# KiCad board lucky1.1.kicad_pcb
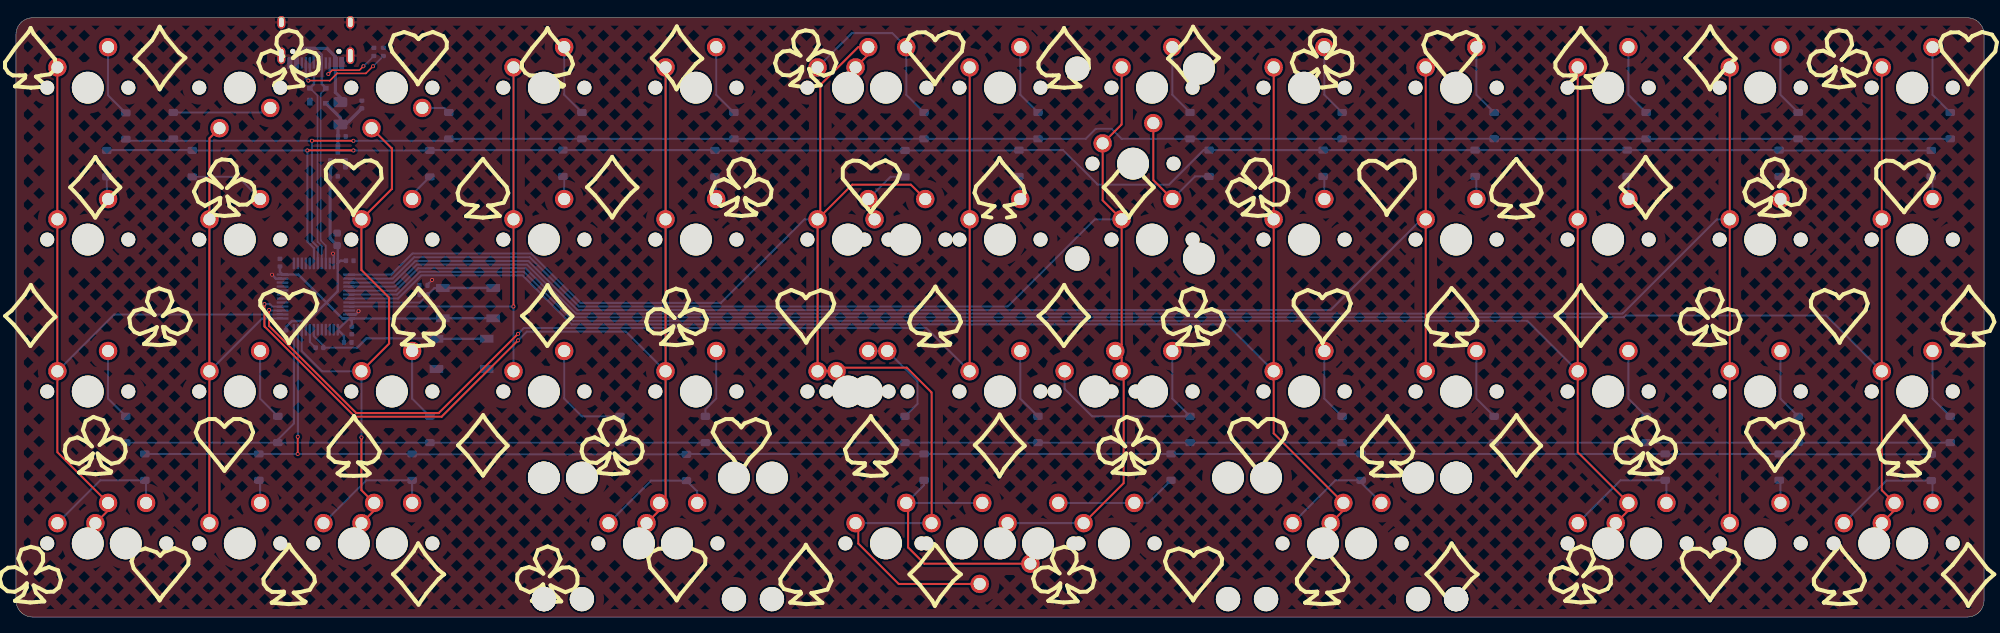
[diagram p0: board, top side]
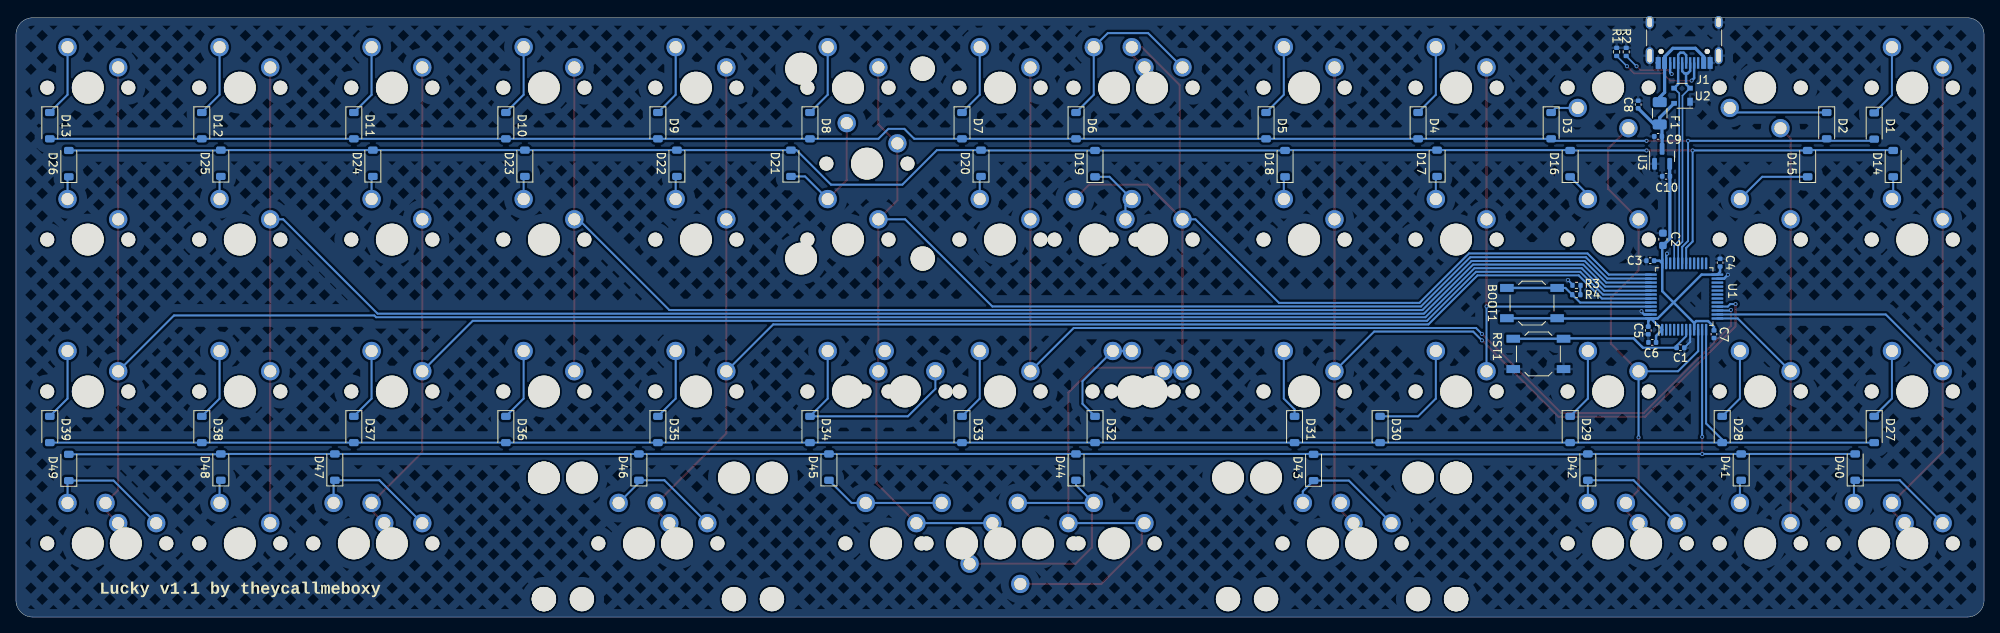
[diagram p1: board, bottom side, seen from below]

Outline 246.6 x 75.15 mm; copper layers: Top, Bottom. Coordinates in mm from the lower left corner of the outline.
Outline path: 0,73.05 arc(0.62,74.53) 2.1,75.15 244.5,75.15 arc(245.98,74.53) 246.6,73.05 246.6,2.1 arc(245.98,0.62) 244.5,0 2.1,0 arc(0.62,0.62) 0,2.1 0,73.05
Stack: Top 0.035mm / dielectric 1.11mm FR4 er 4.5 / Bottom 0.035mm

## Placement (name value [footprint] x y rotation side)
BOOT1  SW_SPST  [SW_SPST_TL3342]  56.64 39.37 0 bottom
C1  100nF  [C_0402_1005Metric]  38.04 33.77 180 bottom
C2  10uF  [C_0603_1608Metric]  40.24 47.37 90 bottom
C3  100nF  [C_0402_1005Metric]  41.83 44.69 0 bottom
C4  100nF  [C_0402_1005Metric]  33.08 44.44 90 bottom
C5  100nF  [C_0402_1005Metric]  42.08 35.94 270 bottom
C6  100nF  [C_0402_1005Metric]  41.58 34.44 0 bottom
C7  100nF  [C_0402_1005Metric]  33.84 35.47 270 bottom
C8  100nF  [C_0402_1005Metric]  43.34 64.27 90 bottom
C9  1uF  [C_0402_1005Metric]  40.84 60.27 0 bottom
C10  1uF  [C_0402_1005Metric]  39.84 55.27 0 bottom
D1  D_Small  [D_SOD-123]  13.76 61.58 270 bottom
D2  D_Small  [D_SOD-123]  19.72 61.62 270 bottom
D3  D_Small  [D_SOD-123]  54.24 61.62 270 bottom
D4  D_Small  [D_SOD-123]  70.91 61.62 270 bottom
D5  D_Small  [D_SOD-123]  89.96 61.62 270 bottom
D6  D_Small  [D_SOD-123]  113.77 61.62 270 bottom
D7  D_Small  [D_SOD-123]  128.06 61.62 270 bottom
D8  D_Small  [D_SOD-123]  147.11 61.62 270 bottom
D9  D_Small  [D_SOD-123]  166.16 61.62 270 bottom
D10  D_Small  [D_SOD-123]  185.21 61.62 270 bottom
D11  D_Small  [D_SOD-123]  204.26 61.62 270 bottom
D12  D_Small  [D_SOD-123]  223.31 61.62 270 bottom
D13  D_Small  [D_SOD-123]  242.36 61.62 270 bottom
D14  D_Small  [D_SOD-123]  11.38 56.86 90 bottom
D15  D_Small  [D_SOD-123]  22.1 56.86 90 bottom
D16  D_Small  [D_SOD-123]  51.86 56.86 90 bottom
D17  D_Small  [D_SOD-123]  68.53 56.91 90 bottom
D18  D_Small  [D_SOD-123]  87.58 56.86 90 bottom
D19  D_Small  [D_SOD-123]  111.39 56.86 90 bottom
D20  D_Small  [D_SOD-123]  125.68 56.91 90 bottom
D21  D_Small  [D_SOD-123]  149.49 56.91 90 bottom
D22  D_Small  [D_SOD-123]  163.78 56.91 90 bottom
D23  D_Small  [D_SOD-123]  182.83 56.91 90 bottom
D24  D_Small  [D_SOD-123]  201.88 56.91 90 bottom
D25  D_Small  [D_SOD-123]  220.93 56.91 90 bottom
D26  D_Small  [D_SOD-123]  239.98 56.86 90 bottom
D27  D_Small  [D_SOD-123]  13.76 23.52 270 bottom
D28  D_Small  [D_SOD-123]  32.81 23.52 270 bottom
D29  D_Small  [D_SOD-123]  51.86 23.52 270 bottom
D30  D_Small  [D_SOD-123]  75.67 23.52 270 bottom
D31  D_Small  [D_SOD-123]  86.39 23.52 270 bottom
D32  D_Small  [D_SOD-123]  111.39 23.52 270 bottom
D33  D_Small  [D_SOD-123]  128.06 23.52 270 bottom
D34  D_Small  [D_SOD-123]  147.11 23.52 270 bottom
D35  D_Small  [D_SOD-123]  166.16 23.52 270 bottom
D36  D_Small  [D_SOD-123]  185.21 23.52 270 bottom
D37  D_Small  [D_SOD-123]  204.26 23.52 270 bottom
D38  D_Small  [D_SOD-123]  223.31 23.52 270 bottom
D39  D_Small  [D_SOD-123]  242.36 23.52 270 bottom
D40  D_Small  [D_SOD-123]  16.14 18.81 90 bottom
D41  D_Small  [D_SOD-123]  30.43 18.81 90 bottom
D42  D_Small  [D_SOD-123]  49.64 18.81 90 bottom
D43  D_Small  [D_SOD-123]  84.01 18.76 90 bottom
D44  D_Small  [D_SOD-123]  113.77 18.81 90 bottom
D45  D_Small  [D_SOD-123]  144.73 18.81 90 bottom
D46  D_Small  [D_SOD-123]  168.54 18.81 90 bottom
D47  D_Small  [D_SOD-123]  206.64 18.81 90 bottom
D48  D_Small  [D_SOD-123]  220.93 18.81 90 bottom
D49  D_Small  [D_SOD-123]  239.98 18.76 90 bottom
F1  500mA  [Fuse_1206_3216Metric]  40.64 63.17 270 bottom
J1  USB_C_Receptacle_USB2.0  [USB_C_Receptacle_HRO_TYPE-C-31-M-12]  37.58 73.53 0 bottom
MX1  MX_SW_solder  [SW_MX_1u]  9 66.39 0 top
MX2  MX_SW_solder  [SW_MX_1u#2]  28.05 66.39 180 top
MX3  MX_SW_solder  [SW_MX_1u#2]  47.1 66.39 180 top
MX4  MX_SW_solder  [SW_MX_1u]  66.15 66.39 0 top
MX5  MX_SW_solder  [SW_MX_1u]  85.2 66.39 0 top
MX6  MX_SW_solder  [SW_MX_1u#2]  104.25 66.39 0 top
MX7  MX_SW_solder  [SW_MX_1u]  109.01 66.39 0 top
MX8  MX_SW_solder  [SW_MX_1u]  123.3 66.39 0 top
MX9  MX_SW_solder  [SW_MX_1u]  139.97 56.86 0 top
MX10  MX_SW_solder  [SW_MX_1u]  142.35 66.39 0 top
MX11  MX_SW_solder  [SW_MX_1u]  161.4 66.39 0 top
MX12  MX_SW_solder  [SW_MX_1u]  180.45 66.39 0 top
MX13  MX_SW_solder  [SW_MX_1u]  199.5 66.39 0 top
MX14  MX_SW_solder  [SW_MX_1u]  218.55 66.39 0 top
MX15  MX_SW_solder  [SW_MX_1u]  237.6 66.39 0 top
MX16  MX_SW_solder  [SW_MX_1u]  9 47.34 0 top
MX17  MX_SW_solder  [SW_MX_1u]  28.05 47.34 0 top
MX18  MX_SW_solder  [SW_MX_1u]  47.1 47.34 0 top
MX19  MX_SW_solder  [SW_MX_1u]  66.15 47.34 0 top
MX20  MX_SW_solder  [SW_MX_1u]  85.2 47.34 0 top
MX21  MX_SW_solder  [SW_MX_1u]  104.25 47.34 0 top
MX22  MX_SW_solder  [SW_MX_1u#2]  111.39 47.34 0 top
MX23  MX_SW_solder  [SW_MX_1u]  123.3 47.34 0 top
MX24  MX_SW_solder  [SW_MX_1u]  142.35 47.34 0 top
MX25  MX_SW_solder  [SW_MX_1u]  161.4 47.34 0 top
MX26  MX_SW_solder  [SW_MX_1u]  180.45 47.34 0 top
MX27  MX_SW_solder  [SW_MX_1u]  199.5 47.34 0 top
MX28  MX_SW_solder  [SW_MX_1u]  218.55 47.34 0 top
MX29  MX_SW_solder  [SW_MX_1u]  237.6 47.34 0 top
MX30  MX_SW_solder  [SW_MX_1u]  9 28.28 0 top
MX31  MX_SW_solder  [SW_MX_1u]  28.05 28.28 0 top
MX32  MX_SW_solder  [SW_MX_1u]  47.1 28.28 0 top
MX33  MX_SW_solder  [SW_MX_1u]  66.15 28.28 0 top
MX34  MX_SW_solder  [SW_MX_1u]  85.2 28.28 0 top
MX35  MX_SW_solder  [SW_MX_1u]  104.25 28.28 0 top
MX36  MX_SW_solder  [SW_MX_1u]  106.63 28.28 0 top
MX37  MX_SW_solder  [SW_MX_1u]  123.3 28.28 0 top
MX38  MX_SW_solder  [SW_MX_1u#2]  135.21 28.28 0 top
MX39  MX_SW_solder  [SW_MX_1u]  142.35 28.28 0 top
MX40  MX_SW_solder  [SW_MX_1u]  161.4 28.28 0 top
MX41  MX_SW_solder  [SW_MX_1u]  180.45 28.28 0 top
MX42  MX_SW_solder  [SW_MX_1u]  199.5 28.28 0 top
MX43  MX_SW_solder  [SW_MX_1u]  218.55 28.28 0 top
MX44  MX_SW_solder  [SW_MX_1u]  237.6 28.28 0 top
MX45  MX_SW_solder  [SW_MX_1u#2]  9 9.23 0 top
MX46  MX_SW_solder  [SW_MX_1u]  13.76 9.23 0 top
MX47  MX_SW_solder  [SW_MX_1u]  28.05 9.23 0 top
MX48  MX_SW_solder  [SW_MX_1u#2]  42.34 9.23 0 top
MX49  MX_SW_solder  [SW_MX_1u]  47.1 9.23 0 top
MX50  MX_SW_solder  [SW_MX_1u#2]  78.06 9.23 0 top
MX51  MX_SW_solder  [SW_MX_1u]  82.82 9.23 0 top
MX52  MX_SW_solder  [SW_MX_1u#2]  123.3 9.23 180 top
MX53  MX_SW_solder  [SW_MX_1u]  109.01 9.23 0 top
MX54  MX_SW_solder  [SW_MX_1u]  118.54 9.23 0 top
MX55  MX_SW_solder  [SW_MX_1u]  128.06 9.23 0 top
MX56  MX_SW_solder  [SW_MX_1u]  137.59 9.23 0 top
MX57  MX_SW_solder  [SW_MX_1u#2]  163.78 9.23 0 top
MX58  MX_SW_solder  [SW_MX_1u]  168.54 9.23 0 top
MX59  MX_SW_solder  [SW_MX_1u#2]  199.5 9.23 0 top
MX60  MX_SW_solder  [SW_MX_1u]  204.26 9.23 0 top
MX61  MX_SW_solder  [SW_MX_1u]  218.55 9.23 0 top
MX62  MX_SW_solder  [SW_MX_1u#2]  232.84 9.23 0 top
MX63  MX_SW_solder  [SW_MX_1u]  237.6 9.23 0 top
R1  5.1k  [R_0402_1005Metric]  46.04 70.87 270 bottom
R2  5.1k  [R_0402_1005Metric]  44.84 70.87 90 bottom
R3  5.1k  [R_0402_1005Metric]  51.09 40.42 180 bottom
R4  5.1k  [R_0402_1005Metric]  51.06 41.6 0 bottom
RST1  SW_SPST  [SW_SPST_TL3342]  55.84 33 180 bottom
S1  MX_stab  [STAB_MX_2.25u]  78.06 9.23 180 top
S2  MX_stab  [STAB_MX_2.75u]  168.54 9.23 180 top
S3  MX_stab  [STAB_MX_7u]  123.3 9.23 180 top
S4  MX_stab  [STAB_MX_2.25u]  163.78 9.23 180 top
S5  MX_stab  [STAB_MX_2.75u]  82.82 9.23 180 top
S6  MX_stab  [STAB_MX_ISO]  139.97 56.86 0 top
U1  STM32F072CBT6  [LQFP-48_7x7mm_P0.5mm]  37.58 40.19 90 bottom
U2  PRTR5V0U2X  [SOT-143]  37.84 65.37 0 bottom
U3  XC6206PxxxMR-Regulator_Linear  [SOT-23]  40.34 57.77 90 bottom

## Library data of the parts
C1-C10 = -: LCSC: C307331; ki_fp_filters: C_*
D1-D49 = -: Description: Diode, small symbol; Sim.Device: D; Sim.Pins: 1=K 2=A; ki_fp_filters: TO-???* *_Diode_* *SingleDiode* D_*
F1 = -: LCSC: C135341; ki_fp_filters: *polyfuse* *PTC*
J1 = -: Datasheet: https://www.usb.org/sites/default/files/documents/usb_type-c.zip; JlcPosOffset: 0,1.5; JlcRotOffset: 180; ki_fp_filters: USB*C*Receptacle*
MX1-MX63 = -: Description: Push button switch, normally open, two pins, 45° tilted
R1-R4 = -: ki_fp_filters: R_*
S1-S6 = -: Description: Cherry MX-style stabilizer
U1 = -: Datasheet: https://www.st.com/resource/en/datasheet/stm32f072cb.pdf; JlcRotOffset: 90; ki_fp_filters: LQFP*7x7mm*P0.5mm*
U2 = -: Datasheet: https://assets.nexperia.com/documents/data-sheet/PRTR5V0U2X.pdf; JlcRotOffset: 90; LCSC: C2827688; ki_fp_filters: SOT?143*
U3 = -: Datasheet: https://www.torexsemi.com/file/xc6206/XC6206.pdf; LCSC: C5446; ki_fp_filters: SOT?23*

## Footprints (pads in the part's own frame, mm; a bottom-side part is the same pattern mirrored in y, then rotated)
C_0402_1005Metric
  rrect 0.56x0.62 smd: 1(-0.48,0) 2(0.48,0)
C_0603_1608Metric
  rrect 0.9x0.95 smd: 1(-0.775,0) 2(0.775,0)
D_SOD-123
  rrect 0.9x1.2 smd: 1(-1.65,0) 2(1.65,0)
Fuse_1206_3216Metric
  rrect 1.25x1.75 smd: 1(-1.4,0) 2(1.4,0)
LQFP-48_7x7mm_P0.5mm
  rrect 1.475x0.3 smd: 1(-4.162,2.75) 2(-4.162,2.25) 3(-4.162,1.75) 4(-4.162,1.25) 5(-4.162,0.75) 6(-4.162,0.25) 7(-4.162,-0.25) 8(-4.162,-0.75) 9(-4.162,-1.25) 10(-4.162,-1.75) 11(-4.162,-2.25) 12(-4.162,-2.75) 25(4.162,-2.75) 26(4.162,-2.25) 27(4.162,-1.75) 28(4.162,-1.25) 29(4.162,-0.75) 30(4.162,-0.25) 31(4.162,0.25) 32(4.162,0.75) 33(4.162,1.25) 34(4.162,1.75) 35(4.162,2.25) 36(4.162,2.75)
  rrect 0.3x1.475 smd: 13(-2.75,-4.162) 14(-2.25,-4.162) 15(-1.75,-4.162) 16(-1.25,-4.162) 17(-0.75,-4.162) 18(-0.25,-4.162) 19(0.25,-4.162) 20(0.75,-4.162) 21(1.25,-4.162) 22(1.75,-4.162) 23(2.25,-4.162) 24(2.75,-4.162) 37(2.75,4.162) 38(2.25,4.162) 39(1.75,4.162) 40(1.25,4.162) 41(0.75,4.162) 42(0.25,4.162) 43(-0.25,4.162) 44(-0.75,4.162) 45(-1.25,4.162) 46(-1.75,4.162) 47(-2.25,4.162) 48(-2.75,4.162)
R_0402_1005Metric
  rrect 0.54x0.64 smd: 1(-0.51,0) 2(0.51,0)
SOT-23
  rrect 1.475x0.6 smd: 1(-0.938,0.95) 2(-0.938,-0.95) 3(0.938,0)
SOT-143
  rect 0.7x1 smd: 1(-1,0.75)
  rect 0.7x0.6 smd: 2(-1,-0.95) 3(1,-0.95) 4(1,0.95)
STAB_MX_2.25u
  round 3.048 hole 3.048 unplated: (-11.906,6.985) (11.906,6.985)
  round 3.988 hole 3.988 unplated: (-11.906,-8.255) (11.906,-8.255)
STAB_MX_2.75u
  round 3.048 hole 3.048 unplated: (-11.906,6.985) (11.906,6.985)
  round 3.988 hole 3.988 unplated: (-11.906,-8.255) (11.906,-8.255)
STAB_MX_7u
  round 3.048 hole 3.048 unplated: (-57.15,6.985) (57.15,6.985)
  round 3.988 hole 3.988 unplated: (-57.15,-8.255) (57.15,-8.255)
STAB_MX_ISO
  round 3.048 hole 3.048 unplated: (-6.985,11.906) (-6.985,-11.906)
  round 3.988 hole 3.988 unplated: (8.255,11.906) (8.255,-11.906)
SW_MX_1u
  round 1.75 hole 1.75 unplated: (-5.08,0) (5.08,0)
  round 3.988 hole 3.988 unplated: (0,0)
  round 2.3 hole 1.524: 1(-3.81,2.54) 2(2.54,5.08)
SW_MX_1u#2
  round 1.75 hole 1.75 unplated: (-5.08,0) (5.08,0)
  round 3.988 hole 3.988 unplated: (0,0)
  round 2.3 hole 1.524: 1(2.54,5.08) 2(-3.81,2.54)
SW_SPST_TL3342
  rect 1.7x1 smd: 1(-3.15,1.9) 1(3.15,1.9) 2(-3.15,-1.9) 2(3.15,-1.9)
USB_C_Receptacle_HRO_TYPE-C-31-M-12
  round 0.65 hole 0.65 unplated: (-2.89,2.6) (2.89,2.6)
  rect 0.6x1.45 smd: A1(-3.25,4.045) A4(-2.45,4.045) A9(2.45,4.045) A12(3.25,4.045) B1(3.25,4.045) B4(2.45,4.045) B9(-2.45,4.045) B12(-3.25,4.045)
  rect 0.3x1.45 smd: A5(-1.25,4.045) A6(-0.25,4.045) A7(0.25,4.045) A8(1.25,4.045) B5(1.75,4.045) B6(0.75,4.045) B7(-0.75,4.045) B8(-1.75,4.045)
  oval 1x1.6 hole 0.6x1.2: S1(-4.32,-1.05) S1(4.32,-1.05)
  oval 1x2.1 hole 0.6x1.7: S1(-4.32,3.13) S1(4.32,3.13)

## Nets
+3V3: BOOT1.1 C2.1 C3.1 C4.1 C5.1 C6.1 C7.1 C10.1 U1.1 U1.9 U1.24 U1.36 U1.48 U3.2
+5V: C8.1 C9.1 F1.2 U2.4 U3.3
GND: C1.2 C2.2 C3.2 C4.2 C5.2 C6.2 C7.2 C8.2 C9.2 C10.2 J1.A1 J1.A12 J1.B1 J1.B12 J1.S1 R1.1 R2.2 R4.2 RST1.2 U1.8 U1.23 U1.35 U1.47 U2.1 U3.1
VBUS: F1.1 J1.A4 J1.A9 J1.B4 J1.B9
/A7: U1.17
/A8: U1.29
/A13: U1.34
/B0: U1.18
/B1: U1.19
/B2: U1.20
/B9: U1.46
/B10: U1.21
/B11: U1.22
/B12: U1.25
/B13: U1.26
/B14: U1.27
/B15: U1.28
/C13: U1.2
/C14: U1.3
/C15: U1.4
/F0: U1.5
/F1: U1.6
BOOT0: BOOT1.2 R3.1 U1.44
col0: MX1.1 MX16.1 MX30.1 MX45.1 MX46.1 U1.14
col1: MX2.1 MX17.1 MX31.1 MX47.1 U1.13
col2: MX3.1 MX18.1 MX32.1 MX48.1 MX49.1 U1.10
col3: MX4.1 MX19.1 MX33.1 U1.45
col4: MX5.1 MX20.1 MX34.1 MX50.1 MX51.1 U1.16
col5: MX6.1 MX7.1 MX21.1 MX22.1 MX35.1 MX36.1 MX52.1 MX53.1 MX54.1 U1.37
col6: MX8.1 MX23.1 MX37.1 U1.15
col7: MX9.1 MX10.1 MX24.1 MX38.1 MX39.1 MX55.1 MX56.1 U1.38
col8: MX11.1 MX25.1 MX40.1 MX57.1 MX58.1 U1.43
col9: MX12.1 MX26.1 MX41.1 U1.39
col10: MX13.1 MX27.1 MX42.1 MX59.1 MX60.1 U1.42
col11: MX14.1 MX28.1 MX43.1 MX61.1 U1.40
col12: MX15.1 MX29.1 MX44.1 MX62.1 MX63.1 U1.41
D+: J1.A6 J1.B6 U1.33 U2.3
D-: J1.A7 J1.B7 U1.32 U2.2
NRST: C1.1 RST1.1 U1.7
row0: D1.2 D2.2 D3.2 D4.2 D5.2 D6.2 D7.2 D8.2 D9.2 D10.2 D11.2 D12.2 D13.2 U1.31
row1: D14.2 D15.2 D16.2 D17.2 D18.2 D19.2 D20.2 D21.2 D22.2 D23.2 D24.2 D25.2 D26.2 U1.30
row2: D27.2 D28.2 D29.2 D30.2 D31.2 D32.2 D33.2 D34.2 D35.2 D36.2 D37.2 D38.2 D39.2 U1.12
row3: D40.2 D41.2 D42.2 D43.2 D44.2 D45.2 D46.2 D47.2 D48.2 D49.2 U1.11
Net-(D1-K): D1.1 MX1.2
Net-(D2-K): D2.1 MX2.2
Net-(D3-K): D3.1 MX3.2
Net-(D4-K): D4.1 MX4.2
Net-(D5-K): D5.1 MX5.2
Net-(D6-K): D6.1 MX6.2 MX7.2
Net-(D7-K): D7.1 MX8.2
Net-(D8-K): D8.1 MX10.2
Net-(D9-K): D9.1 MX11.2
Net-(D10-K): D10.1 MX12.2
Net-(D11-K): D11.1 MX13.2
Net-(D12-K): D12.1 MX14.2
Net-(D13-K): D13.1 MX15.2
Net-(D14-K): D14.1 MX16.2
Net-(D15-K): D15.1 MX17.2
Net-(D16-K): D16.1 MX18.2
Net-(D17-K): D17.1 MX19.2
Net-(D18-K): D18.1 MX20.2
Net-(D19-K): D19.1 MX21.2 MX22.2
Net-(D20-K): D20.1 MX23.2
Net-(D21-K): D21.1 MX9.2 MX24.2
Net-(D22-K): D22.1 MX25.2
Net-(D23-K): D23.1 MX26.2
Net-(D24-K): D24.1 MX27.2
Net-(D25-K): D25.1 MX28.2
Net-(D26-K): D26.1 MX29.2
Net-(D27-K): D27.1 MX30.2
Net-(D28-K): D28.1 MX31.2
Net-(D29-K): D29.1 MX32.2
Net-(D30-K): D30.1 MX33.2
Net-(D31-K): D31.1 MX34.2
Net-(D32-K): D32.1 MX35.2 MX36.2
Net-(D33-K): D33.1 MX37.2
Net-(D34-K): D34.1 MX38.2 MX39.2
Net-(D35-K): D35.1 MX40.2
Net-(D36-K): D36.1 MX41.2
Net-(D37-K): D37.1 MX42.2
Net-(D38-K): D38.1 MX43.2
Net-(D39-K): D39.1 MX44.2
Net-(D40-K): D40.1 MX45.2 MX46.2
Net-(D41-K): D41.1 MX47.2
Net-(D42-K): D42.1 MX48.2 MX49.2
Net-(D43-K): D43.1 MX50.2 MX51.2
Net-(D44-K): D44.1 MX52.2 MX53.2 MX54.2
Net-(D45-K): D45.1 MX55.2 MX56.2
Net-(D46-K): D46.1 MX57.2 MX58.2
Net-(D47-K): D47.1 MX59.2 MX60.2
Net-(D48-K): D48.1 MX61.2
Net-(D49-K): D49.1 MX62.2 MX63.2
Net-(J1-CC1): J1.A5 R1.2
Net-(J1-CC2): J1.B5 R2.1
Net-(R3-Pad2): R3.2 R4.1

Pads without a net: J1 A8 B8

## Via types
v1: diameter 0.5, hole 0.3, Top to Bottom, 20 vias

## Routing (per net, layer and track width the routed paths; a pad name or vN(x,y) marks a point on that pad's centre or on a via; arc(x,y) is an arc through that point)
+3V3: length 62.3
  Bottom w0.3: U1.48 U1.1 41.09,35.26 C6.1 ; U1.48 40.9,37.44 35.4,42.94 U1.24 33.08,43.28 C4.1 ; U1.48 53.46,37.44 BOOT1.1 BOOT1.1 ; U1.48 42.08,37.1 C5.1 ; U1.9 36.33,36.87 ; 36.33,36.87 36.08,37.12 34.57,37.12 33.84,36.38 C7.1 ; 36.33,36.87 40.33,40.87 U1.36 ; U1.36 40.66,44.69 C3.1 ; U1.36 40.33,46.51 C2.1 ; 40.33,46.59 40.34,46.6
  Bottom w0.4: U3.2 39.39,55.3 C10.1 39.36,55.27 39.36,47.47 C2.1
+5V: length 10.1
  Bottom w0.4: U3.3 40.34,60.25 C9.1 40.36,61.49 F1.2 ; F1.2 40.64,62.62 U2.4 ; F1.2 41.32,61.77 C8.1
GND: length 8.1
  Bottom w0.25: v1(52.14,42.27) 51.57,41.71 R4.2 ; U1.8 36.83,34.51 C1.2
  Bottom w0.3: v1(39.72,45.57) 39.83,45.47 U1.35 ; v1(42.92,38.35) 42.92,38.29 42.58,37.94 U1.47 ; U1.23 32.57,42.44 v1(32.09,42.92)
  Bottom w0.4: J1.A1 34.17,69.48 ; J1.A12 40.98,69.48 ; U2.1 36.84,64.77
VBUS: length 12.5
  Bottom w0.4: F1.1 40.64,65.17 40.03,65.78 J1.A9 40.03,70.27 38.98,71.32 36.17,71.32 35.12,70.27 J1.A4
BOOT0: length 18.8
  Bottom w0.25: U1.44 50.62,39.44 R3.1 52.45,41.27 BOOT1.2
  Bottom w0.3: BOOT1.2 BOOT1.2
col0: length 91.6
  Top w0.25: MX1.1 MX16.1 MX30.1 5.19,20.67 MX45.1 11.54,13.36 MX46.1
  Bottom w0.25: U1.14 12.31,37.94 MX30.1
col1: length 62
  Top w0.25: MX2.1 24.24,60.04 MX17.1 MX31.1 MX47.1
  Bottom w0.25: MX31.1 30.86,37.44 U1.13
col2: length 67.6
  Top w0.25: MX3.1 47.1,58.77 47.1,53.69 MX18.1 43.29,43.52 46.76,40.05 46.76,34.3 MX32.1 ; v1(43.29,22.52) 43.29,15.9 MX48.1 44.88,13.36 MX49.1
  Bottom w0.25: U1.10 35.81,36.02 35.81,33.35 38.33,30.83 MX32.1 v1(43.29,22.52)
col3: length 58.7
  Top w0.25: 62.34,38.95 v1(62.34,38.95) 62.34,38.95 MX19.1 MX4.1
  Bottom w0.25: 62.34,38.95 MX33.1 ; U1.45 62.33,38.94 v1(62.34,38.95)
col4: length 124.8
  Top w0.25: MX51.1 80.6,13.36 MX50.1 81.39,15.11 MX34.1 MX20.1 MX5.1 ; v1(31.14,39.25) 31.14,36.45 42.46,25.12 53.34,25.12 62.91,34.7 v1(62.91,34.7)
  Bottom w0.25: v1(31.14,39.25) 31.79,39.25 32.1,38.94 U1.16 ; MX34.1 76.42,35.8 64.02,35.8 v1(62.91,34.7)
col5: length 191.6
  Top w0.25: MX53.1 105.54,11.44 105.54,9.22 110.6,4.16 MX52.1 ; MX7.1 106.79,70.51 106.79,71.47 105.53,71.47 100.79,66.72 100.79,50.22 MX21.1 ; MX54.1 114.73,28.16 111.61,31.27 103.27,31.27 MX36.1 MX35.1 MX21.1 ; MX21.1 104.79,54.22 112.13,54.22 MX22.1
  Bottom w0.25: U1.37 47.03,42.94 49.68,45.6 64.54,45.6 70.74,39.4 88.34,39.4 98.81,49.88 MX21.1 ; MX54.1 MX53.1
col6: length 140.8
  Top w0.25: v1(31.71,38.52) 31.71,36.51 42.65,25.57 52.96,25.57 62.9,35.51 v1(62.91,35.51) ; MX37.1 MX23.1 MX8.1
  Bottom w0.25: v1(31.71,38.52) 31.79,38.44 U1.15 ; MX37.1 114.07,36.25 63.65,36.25 v1(62.91,35.51)
col7: length 176.5
  Top w0.25: MX56.1 138.79,16.78 138.79,30.58 MX39.1 138.54,32.57 MX38.1 138.54,34.16 MX24.1 136.16,52.26 MX9.1 138.54,61.78 MX10.1
  Bottom w0.25: MX56.1 MX55.1 ; U1.38 47.2,42.44 49.88,45.12 64.38,45.12 70.55,38.95 124.26,38.95 135.18,49.88 MX24.1
col8: length 183.5
  Top w0.25: MX58.1 166.32,13.36 MX57.1 157.59,23.05 MX40.1 MX25.1 MX11.1
  Bottom w0.25: U1.43 47.88,39.94 50.79,42.85 63.47,42.85 69.62,36.7 151.72,36.7 MX40.1
col9: length 181.4
  Top w0.25: MX41.1 MX26.1 MX12.1
  Bottom w0.25: U1.39 47.34,41.94 50.04,44.65 64.21,44.65 70.36,38.5 164.73,38.5 176.11,49.88 MX26.1
col10: length 220.7
  Top w0.25: MX60.1 202.04,13.36 202.04,14.31 195.69,20.67 MX42.1 MX27.1 MX13.1
  Bottom w0.25: MX42.1 189.37,37.15 69.81,37.15 63.66,43.3 50.6,43.3 47.74,40.44 U1.42
col11: length 238.7
  Top w0.25: MX61.1 MX43.1 MX28.1 MX14.1
  Bottom w0.25: MX28.1 213.11,49.88 201.29,38.05 70.18,38.05 64.03,44.2 50.23,44.2 47.47,41.44 U1.40
col12: length 257.2
  Top w0.25: MX15.1 MX29.1 MX44.1 233.79,15.9 MX62.1 235.38,13.36 MX63.1
  Bottom w0.25: MX44.1 226.79,37.82 201.7,37.82 201.47,37.6 69.99,37.6 63.84,43.75 50.41,43.75 47.59,40.92 41.76,40.92 U1.41
D+: length 29.1
  Bottom w0.2: U1.33 38.83,46.59 38.19,47.22 38.19,65.67 U2.3
  Bottom w0.3: U2.3 38.33,66.84 J1.B6 38.33,70.51 38.06,70.77 37.64,70.77 37.33,70.46 J1.A6
D-: length 27.9
  Bottom w0.2: U1.32 38.33,46.52 37.79,47.06 37.79,65.37 U2.2
  Bottom w0.3: 37.34,68.17 37.34,66.82 U2.2 ; 37.34,68.17 37.14,68.17 36.83,68.48 J1.B7 ; 37.34,68.17 37.54,68.17 37.83,68.46 J1.A7
NRST: length 23.7
  Bottom w0.25: 42.74,33.77 C1.1 38.52,34.03 37.33,35.22 U1.7
  Bottom w0.3: 42.74,33.77 43.91,34.95 52.64,34.95 RST1.1 RST1.1
row0: length 245.7
  Top w0.25: v1(37.09,59.72) v1(42.29,59.72)
  Bottom w0.25: D1.2 13.97,59.72 19.47,59.72 D2.2 19.97,59.72 v1(37.09,59.72) 37.09,47.16 37.83,46.42 U1.31 ; v1(42.29,59.72) 53.99,59.72 D3.2 D4.2 D5.2 D6.2 D7.2 134.04,59.97 135.29,61.22 137.29,61.22 138.54,59.97 D8.2 D9.2 D10.2 D11.2 D12.2 D13.2
row1: length 246.8
  Top w0.25: 36.46,58.52 v1(42.29,58.51)
  Bottom w0.25: v1(42.29,58.51) D16.2 51.91,58.55 D17.2 87.54,58.55 D18.2 D19.2 125.64,58.51 D20.2 131.21,58.55 135.54,54.22 144.48,54.22 148.81,58.55 D21.2 D22.2 D23.2 D24.2 D25.2 220.98,58.51 D26.2 ; D14.2 11.43,58.55 22.05,58.55 D15.2 v1(36.51,58.51) 36.51,47.09 37.33,46.28 U1.30
row2: length 243.6
  Bottom w0.25: D39.2 D38.2 D37.2 D36.2 D35.2 D34.2 D33.2 D32.2 D31.2 D30.2 D29.2 D28.2 ; D28.2 32.81,22.26 34.83,24.27 U1.12 ; D28.2 D27.2
row3: length 239.5
  Top w0.25: v1(35.31,22.6) v1(35.31,20.45)
  Bottom w0.25: D49.2 220.98,20.41 D48.2 D47.2 D46.2 D45.2 D44.2 84.05,20.45 D43.2 49.69,20.41 D42.2 35.32,20.45 v1(35.31,20.45) 35.3,20.45 D41.2 D40.2 ; v1(35.31,22.6) 35.33,22.61 U1.11
Net-(D1-K): length 9.2
  Bottom w0.25: MX1.2 11.54,65.45 D1.1
Net-(D2-K): length 12.4
  Bottom w0.25: MX2.2 31.29,63.27 D2.1
Net-(D3-K): length 3.6
  Bottom w0.25: D3.1 53.67,63.84 MX3.2
Net-(D4-K): length 9.1
  Bottom w0.25: MX4.2 68.69,65.5 D4.1
Net-(D5-K): length 9.1
  Bottom w0.25: MX5.2 87.74,65.5 D5.1
Net-(D6-K): length 22.7
  Bottom w0.25: MX6.2 104.74,73.22 109.8,73.22 MX7.2 111.55,65.5 D6.1
Net-(D7-K): length 9.1
  Bottom w0.25: D7.1 125.84,65.5 MX8.2
Net-(D8-K): length 9.1
  Bottom w0.25: D8.1 144.89,65.5 MX10.2
Net-(D9-K): length 9.1
  Bottom w0.25: MX11.2 163.94,65.5 D9.1
Net-(D10-K): length 9.1
  Bottom w0.25: D10.1 182.99,65.5 MX12.2
Net-(D11-K): length 9.1
  Bottom w0.25: D11.1 202.04,65.5 202.04,71.47
Net-(D12-K): length 9.1
  Bottom w0.25: D12.1 221.09,65.5 MX14.2
Net-(D13-K): length 9.1
  Bottom w0.25: D13.1 240.14,65.5 MX15.2
Net-(D14-K): length 2.9
  Bottom w0.25: D14.1 11.38,52.57 MX16.2
Net-(D15-K): length 9.7
  Bottom w0.25: MX17.2 27.79,55.21 D15.1
Net-(D16-K): length 3.7
  Bottom w0.25: D16.1 49.64,52.99 MX18.2
Net-(D17-K): length 2.9
  Bottom w0.25: MX19.2 68.69,55.1 D17.1
Net-(D18-K): length 2.9
  Bottom w0.25: D18.1 87.74,55.05 MX20.2
Net-(D19-K): length 8.6
  Bottom w0.25: MX22.2 107.58,51.62 106.79,52.41 109.58,55.21 D19.1
Net-(D20-K): length 2.9
  Bottom w0.25: MX23.2 125.84,55.1 D20.1
Net-(D21-K): length 16.3
  Top w0.25: MX24.2 142.51,54.8 MX9.2
  Bottom w0.25: D21.1 147.73,55.26 MX24.2
Net-(D22-K): length 2.9
  Bottom w0.25: D22.1 163.94,55.1 MX25.2
Net-(D23-K): length 2.9
  Bottom w0.25: D23.1 182.99,55.1 MX26.2
Net-(D24-K): length 2.9
  Bottom w0.25: 202.04,52.41 202.04,55.1 D24.1
Net-(D25-K): length 2.9
  Bottom w0.25: D25.1 221.09,55.1 MX28.2
Net-(D26-K): length 2.9
  Bottom w0.25: MX29.2 240.14,55.05 D26.1
Net-(D27-K): length 9.1
  Bottom w0.25: MX30.2 11.54,27.39 D27.1
Net-(D28-K): length 9.1
  Bottom w0.25: MX31.2 30.59,27.39 D28.1
Net-(D29-K): length 9.1
  Bottom w0.25: D29.1 49.64,27.39 MX32.2
Net-(D30-K): length 13.9
  Bottom w0.25: D30.1 70.91,25.17 68.69,27.39 MX33.2
Net-(D31-K): length 8.8
  Bottom w0.25: MX34.2 87.74,27.39 86.39,26.05 D31.1
Net-(D32-K): length 12.8
  Bottom w0.25: D32.1 112.96,26.74 112.96,29.58 MX36.2 106.79,33.37
Net-(D33-K): length 9.1
  Bottom w0.25: D33.1 125.84,27.39 MX37.2
Net-(D34-K): length 28.5
  Bottom w0.25: MX38.2 131.4,28.61 134.84,25.17 D34.1 144.89,27.39 MX39.2
Net-(D35-K): length 9.1
  Bottom w0.25: D35.1 163.94,27.39 MX40.2
Net-(D36-K): length 9.1
  Bottom w0.25: MX41.2 182.99,27.39 D36.1
Net-(D37-K): length 9.1
  Bottom w0.25: D37.1 202.04,27.39 202.04,33.37
Net-(D38-K): length 9.1
  Bottom w0.25: D38.1 221.09,27.39 MX43.2
Net-(D39-K): length 9.1
  Bottom w0.25: D39.1 240.14,27.39 MX44.2
Net-(D40-K): length 16.1
  Bottom w0.25: MX46.2 16.3,17 D40.1 10.57,17.16 MX45.2
Net-(D41-K): length 2.9
  Bottom w0.25: MX47.2 30.59,17 D41.1
Net-(D42-K): length 16.2
  Bottom w0.25: MX49.2 D42.1 43.91,17.16 MX48.2
Net-(D43-K): length 15.3
  Bottom w0.25: MX51.2 85.36,15.76 D43.1 79.58,17.11 MX50.2
Net-(D44-K): length 35.1
  Top w0.25: MX52.2 113.81,6.7 111.79,8.72 111.79,14.08 MX53.2
  Bottom w0.25: MX54.2 MX53.2 113.77,16.54 D44.1
Net-(D45-K): length 15.3
  Bottom w0.25: D45.1 141.89,14.31 MX56.2 MX55.2
Net-(D46-K): length 14.7
  Bottom w0.25: MX57.2 165.35,17.16 D46.1 168.54,16.86 MX58.2
Net-(D47-K): length 16.1
  Bottom w0.25: MX60.2 206.8,17 D47.1 201.07,17.16 MX59.2
Net-(D48-K): length 2.9
  Bottom w0.25: MX61.2 221.09,17 D48.1
Net-(D49-K): length 16
  Bottom w0.25: MX62.2 234.36,17.11 D49.1 240.14,16.95 MX63.2
Net-(J1-CC1): length 13
  Top w0.2: v1(44.74,69.07) 43.84,68.17 40.24,68.17 39.34,67.27 v1(36.64,67.27)
  Bottom w0.2: v1(44.74,69.07) 44.75,69.07 R1.2
  Bottom w0.3: J1.A5 36.33,67.59 v1(36.64,67.27)
Net-(J1-CC2): length 8.1
  Top w0.2: v1(39.14,68.1) 39.61,68.57 43.04,68.57 v1(43.54,69.07)
  Bottom w0.2: R2.1 43.55,69.07 v1(43.54,69.07)
  Bottom w0.3: J1.B5 39.33,68.29 v1(39.14,68.1)
Net-(R3-Pad2): length 1.2
  Bottom w0.25: R3.2 50.58,41.57 R4.1

## Copper pours and planes (outline as drawn; the poured copper is in the pictures)
GND on Top, Bottom: -2.36,80.87 249.14,80.87 249.14,-3.53 -2.46,-2.83 -2.46,81.07

## Text on the board
B.Silkscreen: Lucky v1.1 by theycallmeboxy
